# Altium PCB OMD_60V_REF_1.PcbDoc (part 5 of 6)
Units mm, origin at the board's own origin, x right, y up, seen from the top; angles counter-clockwise.
Board outline 71.95 x 71.94 mm, 6 copper layers (Top Layer, L2, L3, L4, L5, Bottom Layer), stack 2.309 mm thick; 139 components, 113 nets, 809 pads, 9892 vias.
Unrouted connection lines stored in the file: 1.
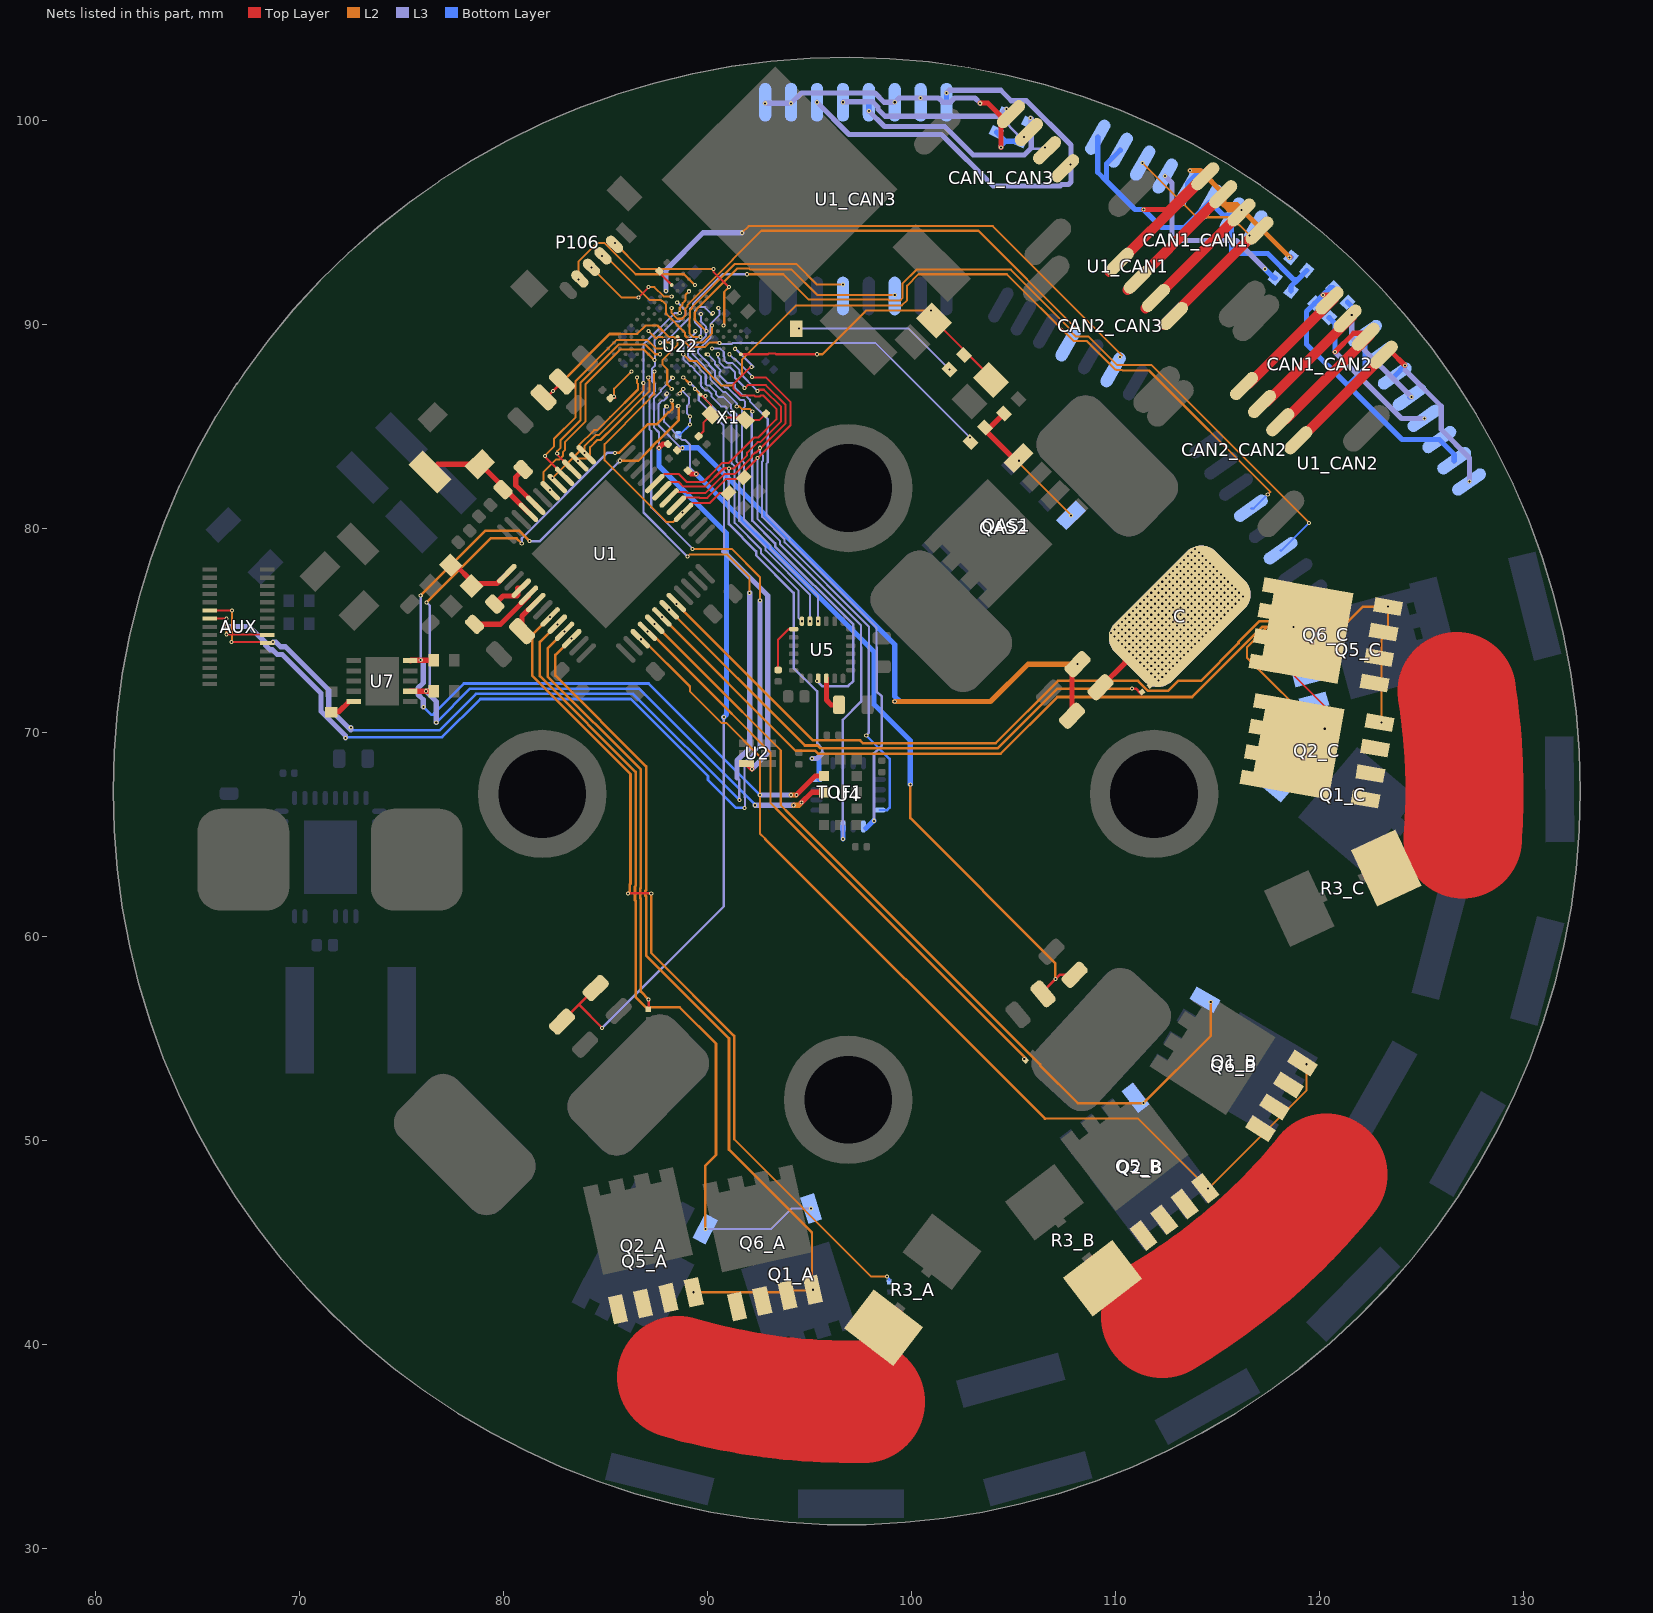
[diagram p9: the nets of this part, all layers, seen from the top]

## Via types
v1: diameter 0.2, hole 0.1, Top Layer to L2, tented both sides, 3354 vias
v2: diameter 0.2, hole 0.1, L2 to L3, tented both sides, 3246 vias
v3: diameter 0.2, hole 0.1, L3 to Bottom Layer, tented both sides, 3236 vias
v4: diameter 0.2, hole 0.1, L2 to L3, 40 vias
v5: diameter 0.2, hole 0.1, L3 to Bottom Layer, 8 vias
v6: diameter 0.2, hole 0.1, Top Layer to L2, 6 vias
v7: diameter 0.2, hole 0.1, Top Layer to L3, 2 vias

## Nets (pads, with @x,y where several pads share a name; then routed paths per layer and width w, separated by ;. In a path a pad name is that pad's centre, name@x,y a point inside that pad or via, vN(x,y) a via of type N, cw(c..) or ccw(c..) an arc to the next point about the centre after c; other vN are vias at no path point) (continued)
NetC9_1: C9.1 U1.3 | length 1.8
  Top Layer w0.254: C9.1@79.577,76.281 79.983,76.687 80.668,76.687 80.705,76.724 80.705,77.063 80.707,77.066 U1.3@80.876,77.066
NetC9_2: C9.2 U1.4 | length 3.3
  Top Layer w0.254: C9.2@78.587,75.291 79.857,75.291 81.229,76.663 U1.4@81.229,76.712
NetC10_1: C10.1 U1.5 | length 1.7
  Top Layer w0.254: C10.1@80.918,74.955 80.918,75.694 U1.5@81.583,76.359
NetC17_1: C17.1 U5.10 | length 1.8
  Top Layer w0.254: U5.10@95.834,72.641 95.834,71.578 96.069,71.343 C17.1@96.455,71.343
NetC39_1: C39.1 U22.K12 X1.3 | length 4.5
  Top Layer w0.1: v4(90.894,85.421) 91.457,85.421 91.601,85.565 X1.3@91.851,85.314 92.563,85.314 C39.1@92.869,85.621
  L2 w0.1: v1(89.384,86.835) 89.732,86.487 v2(89.916,86.487)
  L3 w0.1: v2(89.916,86.487) 89.916,86.303 90.798,85.421 v4(90.894,85.421)
  other v1: 90.894,85.421
NetC40_2: C40.2 U22.K13 X1.1 | length 2.5
  Top Layer w0.1: C40.2@89.571,84.511 89.806,84.747 89.806,85.179 X1.1@90.19,85.562 90.19,86.029 U22.K13@89.666,86.553
NetC43_1: C43.1 U22.P5 | length 1.9
  Top Layer w0.1: C43.1@85.249,86.383 85.503,86.383 v1(85.432,86.454)
  L2 w0.1: v1(85.432,86.454) 85.432,86.844 v1(86.272,87.684)
NetC44_1: C44.1 U22.C1 | length 0.9
  Top Layer w0.1: C44.1@87.647,92.606 87.647,92.531 U22.C1@88.252,91.927
NetC49_1: C49.1 D1.1 L1.2 U1.45 | length 6
  Top Layer w0.254: L1.2@76.405,82.761 76.782,83.137 D1.1@78.843,83.137 78.87,83.137 U1.45@81.229,80.778
NetC49_2: C49.2 U1.44 | length 2.3
  Top Layer w0.254: C49.2@80.974,82.885 80.606,82.517 80.606,82.108 U1.44@81.583,81.132
NetC_1: C.1 NT2_C.2 Q1_C.S Q2_C.D Q5_C.S Q6_C.D R9_C.2 | length 6.5
  Top Layer w0.1: Q6_C.D@118.628,72.914 120.777,70.764 Q2_C.D@120.777,69.342
  Top Layer w0.254: R9_C.2@109.278,72.205 110.472,73.4 C.1@110.472,73.76
  other v1: 112.123,72.528 111.943,72.708 112.303,72.708 111.764,72.887 112.123,72.887 112.482,72.887 111.584,73.067 111.943,73.067 112.303,73.067 112.662,73.067 111.405,73.247 111.764,73.247 112.123,73.247 112.482,73.247 112.841,73.247 111.225,73.426 111.584,73.426 111.943,73.426 112.303,73.426 112.662,73.426 113.021,73.426 111.045,73.606 111.405,73.606 111.764,73.606 112.123,73.606 112.482,73.606 112.841,73.606 113.201,73.606 110.866,73.785 111.225,73.785 111.584,73.785 111.943,73.785 112.303,73.785 112.662,73.785 113.021,73.785 113.38,73.785 110.686,73.965 111.045,73.965 111.405,73.965 111.764,73.965 112.123,73.965 112.482,73.965 112.841,73.965 113.201,73.965 113.56,73.965 110.507,74.145 110.866,74.145 111.225,74.145 111.584,74.145 111.943,74.145 112.303,74.145 112.662,74.145 113.021,74.145 113.38,74.145 113.739,74.145 110.327,74.324 110.686,74.324 111.045,74.324 111.405,74.324 111.764,74.324 112.123,74.324 112.482,74.324 112.841,74.324 113.201,74.324 113.56,74.324 113.919,74.324 110.147,74.504 110.507,74.504 110.866,74.504 111.225,74.504 111.584,74.504 111.943,74.504 112.303,74.504 112.662,74.504 113.021,74.504 113.38,74.504 113.739,74.504 114.099,74.504 109.968,74.683 110.327,74.683 110.686,74.683 111.045,74.683 111.405,74.683 111.764,74.683 112.123,74.683 112.482,74.683 112.841,74.683 113.201,74.683 113.56,74.683 113.919,74.683 114.278,74.683 109.788,74.863 110.147,74.863 110.507,74.863 110.866,74.863 111.225,74.863 111.584,74.863 111.943,74.863 112.303,74.863 112.662,74.863 113.021,74.863 113.38,74.863 113.739,74.863 114.099,74.863 114.458,74.863 109.968,75.043 110.327,75.043 110.686,75.043 111.045,75.043 111.405,75.043 111.764,75.043 112.123,75.043 112.482,75.043 112.841,75.043 113.201,75.043 113.56,75.043 113.919,75.043 114.278,75.043 114.637,75.043 110.147,75.222 110.507,75.222 110.866,75.222 111.225,75.222 111.584,75.222 111.943,75.222 112.303,75.222 112.662,75.222 113.021,75.222 113.38,75.222 113.739,75.222 114.099,75.222 114.458,75.222 114.817,75.222 110.327,75.402 110.686,75.402 111.045,75.402 111.405,75.402 111.764,75.402 112.123,75.402 112.482,75.402 112.841,75.402 113.201,75.402 113.56,75.402 113.919,75.402 114.278,75.402 114.637,75.402 114.997,75.402 110.507,75.582 110.866,75.582 111.225,75.582 111.584,75.582 111.943,75.582 112.303,75.582 112.662,75.582 113.021,75.582 113.38,75.582 113.739,75.582 114.099,75.582 114.458,75.582 114.817,75.582 115.176,75.582 110.686,75.761 111.045,75.761 111.405,75.761 111.764,75.761 112.123,75.761 112.482,75.761 112.841,75.761 113.201,75.761 113.56,75.761 113.919,75.761 114.278,75.761 114.637,75.761 114.997,75.761 115.356,75.761 110.866,75.941 111.225,75.941 111.584,75.941 111.943,75.941 112.303,75.941 112.662,75.941 113.021,75.941 113.38,75.941 113.739,75.941 114.099,75.941 114.458,75.941 114.817,75.941 115.176,75.941 115.535,75.941 111.045,76.12 111.405,76.12 111.764,76.12 112.123,76.12 112.482,76.12 112.841,76.12 113.201,76.12 113.56,76.12 113.919,76.12 114.278,76.12 114.637,76.12 114.997,76.12 115.356,76.12 115.715,76.12 111.225,76.3 111.584,76.3 111.943,76.3 112.303,76.3 112.662,76.3 113.021,76.3 113.38,76.3 113.739,76.3 114.099,76.3 114.458,76.3 114.817,76.3 115.176,76.3 115.535,76.3 115.895,76.3 111.405,76.48 111.764,76.48 112.123,76.48 112.482,76.48 112.841,76.48 113.201,76.48 113.56,76.48 113.919,76.48 114.278,76.48 114.637,76.48 114.997,76.48 115.356,76.48 115.715,76.48 116.074,76.48 111.584,76.659 111.943,76.659 112.303,76.659 112.662,76.659 113.021,76.659 113.38,76.659 113.739,76.659 114.099,76.659 114.458,76.659 114.817,76.659 115.176,76.659 115.535,76.659 115.895,76.659 116.254,76.659 111.764,76.839 112.123,76.839 112.482,76.839 112.841,76.839 113.201,76.839 113.56,76.839 113.919,76.839 114.278,76.839 114.637,76.839 114.997,76.839 115.356,76.839 115.715,76.839 116.074,76.839 111.943,77.018 112.303,77.018 112.662,77.018 113.021,77.018 113.38,77.018 113.739,77.018 114.099,77.018 114.458,77.018 114.817,77.018 115.176,77.018 115.535,77.018 115.895,77.018 112.123,77.198 112.482,77.198 112.841,77.198 113.201,77.198 113.56,77.198 113.919,77.198 114.278,77.198 114.637,77.198 114.997,77.198 115.356,77.198 115.715,77.198 112.303,77.378 112.662,77.378 113.021,77.378 113.38,77.378 113.739,77.378 114.099,77.378 114.458,77.378 114.817,77.378 115.176,77.378 115.535,77.378 112.482,77.557 112.841,77.557 113.201,77.557 113.56,77.557 113.919,77.557 114.278,77.557 114.637,77.557 114.997,77.557 115.356,77.557 112.662,77.737 113.021,77.737 113.38,77.737 113.739,77.737 114.099,77.737 114.458,77.737 114.817,77.737 115.176,77.737 112.841,77.916 113.201,77.916 113.56,77.916 113.919,77.916 114.278,77.916 114.637,77.916 114.997,77.916 113.021,78.096 113.38,78.096 113.739,78.096 114.099,78.096 114.458,78.096 114.817,78.096 113.201,78.276 113.56,78.276 113.919,78.276 114.278,78.276 114.637,78.276 113.38,78.455 113.739,78.455 114.099,78.455 114.458,78.455 113.56,78.635 113.919,78.635 114.278,78.635 113.739,78.814 114.099,78.814 113.919,78.994
  other v2: 112.123,72.528 111.943,72.708 112.303,72.708 111.764,72.887 112.123,72.887 112.482,72.887 111.584,73.067 111.943,73.067 112.303,73.067 112.662,73.067 111.405,73.247 111.764,73.247 112.123,73.247 112.482,73.247 112.841,73.247 111.225,73.426 111.584,73.426 111.943,73.426 112.303,73.426 112.662,73.426 113.021,73.426 111.045,73.606 111.405,73.606 111.764,73.606 112.123,73.606 112.482,73.606 112.841,73.606 113.201,73.606 110.866,73.785 111.225,73.785 111.584,73.785 111.943,73.785 112.303,73.785 112.662,73.785 113.021,73.785 113.38,73.785 110.686,73.965 111.045,73.965 111.405,73.965 111.764,73.965 112.123,73.965 112.482,73.965 112.841,73.965 113.201,73.965 113.56,73.965 110.507,74.145 110.866,74.145 111.225,74.145 111.584,74.145 111.943,74.145 112.303,74.145 112.662,74.145 113.021,74.145 113.38,74.145 113.739,74.145 110.327,74.324 110.686,74.324 111.045,74.324 111.405,74.324 111.764,74.324 112.123,74.324 112.482,74.324 112.841,74.324 113.201,74.324 113.56,74.324 113.919,74.324 110.147,74.504 110.507,74.504 110.866,74.504 111.225,74.504 111.584,74.504 111.943,74.504 112.303,74.504 112.662,74.504 113.021,74.504 113.38,74.504 113.739,74.504 114.099,74.504 109.968,74.683 110.327,74.683 110.686,74.683 111.045,74.683 111.405,74.683 111.764,74.683 112.123,74.683 112.482,74.683 112.841,74.683 113.201,74.683 113.56,74.683 113.919,74.683 114.278,74.683 109.788,74.863 110.147,74.863 110.507,74.863 110.866,74.863 111.225,74.863 111.584,74.863 111.943,74.863 112.303,74.863 112.662,74.863 113.021,74.863 113.38,74.863 113.739,74.863 114.099,74.863 114.458,74.863 109.968,75.043 110.327,75.043 110.686,75.043 111.045,75.043 111.405,75.043 111.764,75.043 112.123,75.043 112.482,75.043 112.841,75.043 113.201,75.043 113.56,75.043 113.919,75.043 114.278,75.043 114.637,75.043 110.147,75.222 110.507,75.222 110.866,75.222 111.225,75.222 111.584,75.222 111.943,75.222 112.303,75.222 112.662,75.222 113.021,75.222 113.38,75.222 113.739,75.222 114.099,75.222 114.458,75.222 114.817,75.222 110.327,75.402 110.686,75.402 111.045,75.402 111.405,75.402 111.764,75.402 112.123,75.402 112.482,75.402 112.841,75.402 113.201,75.402 113.56,75.402 113.919,75.402 114.278,75.402 114.637,75.402 114.997,75.402 110.507,75.582 110.866,75.582 111.225,75.582 111.584,75.582 111.943,75.582 112.303,75.582 112.662,75.582 113.021,75.582 113.38,75.582 113.739,75.582 114.099,75.582 114.458,75.582 114.817,75.582 115.176,75.582 110.686,75.761 111.045,75.761 111.405,75.761 111.764,75.761 112.123,75.761 112.482,75.761 112.841,75.761 113.201,75.761 113.56,75.761 113.919,75.761 114.278,75.761 114.637,75.761 114.997,75.761 115.356,75.761 110.866,75.941 111.225,75.941 111.584,75.941 111.943,75.941 112.303,75.941 112.662,75.941 113.021,75.941 113.38,75.941 113.739,75.941 114.099,75.941 114.458,75.941 114.817,75.941 115.176,75.941 115.535,75.941 111.045,76.12 111.405,76.12 111.764,76.12 112.123,76.12 112.482,76.12 112.841,76.12 113.201,76.12 113.56,76.12 113.919,76.12 114.278,76.12 114.637,76.12 114.997,76.12 115.356,76.12 115.715,76.12 111.225,76.3 111.584,76.3 111.943,76.3 112.303,76.3 112.662,76.3 113.021,76.3 113.38,76.3 113.739,76.3 114.099,76.3 114.458,76.3 114.817,76.3 115.176,76.3 115.535,76.3 115.895,76.3 111.405,76.48 111.764,76.48 112.123,76.48 112.482,76.48 112.841,76.48 113.201,76.48 113.56,76.48 113.919,76.48 114.278,76.48 114.637,76.48 114.997,76.48 115.356,76.48 115.715,76.48 116.074,76.48 111.584,76.659 111.943,76.659 112.303,76.659 112.662,76.659 113.021,76.659 113.38,76.659 113.739,76.659 114.099,76.659 114.458,76.659 114.817,76.659 115.176,76.659 115.535,76.659 115.895,76.659 116.254,76.659 111.764,76.839 112.123,76.839 112.482,76.839 112.841,76.839 113.201,76.839 113.56,76.839 113.919,76.839 114.278,76.839 114.637,76.839 114.997,76.839 115.356,76.839 115.715,76.839 116.074,76.839 111.943,77.018 112.303,77.018 112.662,77.018 113.021,77.018 113.38,77.018 113.739,77.018 114.099,77.018 114.458,77.018 114.817,77.018 115.176,77.018 115.535,77.018 115.895,77.018 112.123,77.198 112.482,77.198 112.841,77.198 113.201,77.198 113.56,77.198 113.919,77.198 114.278,77.198 114.637,77.198 114.997,77.198 115.356,77.198 115.715,77.198 112.303,77.378 112.662,77.378 113.021,77.378 113.38,77.378 113.739,77.378 114.099,77.378 114.458,77.378 114.817,77.378 115.176,77.378 115.535,77.378 112.482,77.557 112.841,77.557 113.201,77.557 113.56,77.557 113.919,77.557 114.278,77.557 114.637,77.557 114.997,77.557 115.356,77.557 112.662,77.737 113.021,77.737 113.38,77.737 113.739,77.737 114.099,77.737 114.458,77.737 114.817,77.737 115.176,77.737 112.841,77.916 113.201,77.916 113.56,77.916 113.919,77.916 114.278,77.916 114.637,77.916 114.997,77.916 113.021,78.096 113.38,78.096 113.739,78.096 114.099,78.096 114.458,78.096 114.817,78.096 113.201,78.276 113.56,78.276 113.919,78.276 114.278,78.276 114.637,78.276 113.38,78.455 113.739,78.455 114.099,78.455 114.458,78.455 113.56,78.635 113.919,78.635 114.278,78.635 113.739,78.814 114.099,78.814 113.919,78.994
  other v3: 112.123,72.528 111.943,72.708 112.303,72.708 111.764,72.887 112.123,72.887 112.482,72.887 111.584,73.067 111.943,73.067 112.303,73.067 112.662,73.067 111.405,73.247 111.764,73.247 112.123,73.247 112.482,73.247 112.841,73.247 111.225,73.426 111.584,73.426 111.943,73.426 112.303,73.426 112.662,73.426 113.021,73.426 111.045,73.606 111.405,73.606 111.764,73.606 112.123,73.606 112.482,73.606 112.841,73.606 113.201,73.606 110.866,73.785 111.225,73.785 111.584,73.785 111.943,73.785 112.303,73.785 112.662,73.785 113.021,73.785 113.38,73.785 110.686,73.965 111.045,73.965 111.405,73.965 111.764,73.965 112.123,73.965 112.482,73.965 112.841,73.965 113.201,73.965 113.56,73.965 110.507,74.145 110.866,74.145 111.225,74.145 111.584,74.145 111.943,74.145 112.303,74.145 112.662,74.145 113.021,74.145 113.38,74.145 113.739,74.145 110.327,74.324 110.686,74.324 111.045,74.324 111.405,74.324 111.764,74.324 112.123,74.324 112.482,74.324 112.841,74.324 113.201,74.324 113.56,74.324 113.919,74.324 110.147,74.504 110.507,74.504 110.866,74.504 111.225,74.504 111.584,74.504 111.943,74.504 112.303,74.504 112.662,74.504 113.021,74.504 113.38,74.504 113.739,74.504 114.099,74.504 109.968,74.683 110.327,74.683 110.686,74.683 111.045,74.683 111.405,74.683 111.764,74.683 112.123,74.683 112.482,74.683 112.841,74.683 113.201,74.683 113.56,74.683 113.919,74.683 114.278,74.683 109.788,74.863 110.147,74.863 110.507,74.863 110.866,74.863 111.225,74.863 111.584,74.863 111.943,74.863 112.303,74.863 112.662,74.863 113.021,74.863 113.38,74.863 113.739,74.863 114.099,74.863 114.458,74.863 109.968,75.043 110.327,75.043 110.686,75.043 111.045,75.043 111.405,75.043 111.764,75.043 112.123,75.043 112.482,75.043 112.841,75.043 113.201,75.043 113.56,75.043 113.919,75.043 114.278,75.043 114.637,75.043 110.147,75.222 110.507,75.222 110.866,75.222 111.225,75.222 111.584,75.222 111.943,75.222 112.303,75.222 112.662,75.222 113.021,75.222 113.38,75.222 113.739,75.222 114.099,75.222 114.458,75.222 114.817,75.222 110.327,75.402 110.686,75.402 111.045,75.402 111.405,75.402 111.764,75.402 112.123,75.402 112.482,75.402 112.841,75.402 113.201,75.402 113.56,75.402 113.919,75.402 114.278,75.402 114.637,75.402 114.997,75.402 110.507,75.582 110.866,75.582 111.225,75.582 111.584,75.582 111.943,75.582 112.303,75.582 112.662,75.582 113.021,75.582 113.38,75.582 113.739,75.582 114.099,75.582 114.458,75.582 114.817,75.582 115.176,75.582 110.686,75.761 111.045,75.761 111.405,75.761 111.764,75.761 112.123,75.761 112.482,75.761 112.841,75.761 113.201,75.761 113.56,75.761 113.919,75.761 114.278,75.761 114.637,75.761 114.997,75.761 115.356,75.761 110.866,75.941 111.225,75.941 111.584,75.941 111.943,75.941 112.303,75.941 112.662,75.941 113.021,75.941 113.38,75.941 113.739,75.941 114.099,75.941 114.458,75.941 114.817,75.941 115.176,75.941 115.535,75.941 111.045,76.12 111.405,76.12 111.764,76.12 112.123,76.12 112.482,76.12 112.841,76.12 113.201,76.12 113.56,76.12 113.919,76.12 114.278,76.12 114.637,76.12 114.997,76.12 115.356,76.12 115.715,76.12 111.225,76.3 111.584,76.3 111.943,76.3 112.303,76.3 112.662,76.3 113.021,76.3 113.38,76.3 113.739,76.3 114.099,76.3 114.458,76.3 114.817,76.3 115.176,76.3 115.535,76.3 115.895,76.3 111.405,76.48 111.764,76.48 112.123,76.48 112.482,76.48 112.841,76.48 113.201,76.48 113.56,76.48 113.919,76.48 114.278,76.48 114.637,76.48 114.997,76.48 115.356,76.48 115.715,76.48 116.074,76.48 111.584,76.659 111.943,76.659 112.303,76.659 112.662,76.659 113.021,76.659 113.38,76.659 113.739,76.659 114.099,76.659 114.458,76.659 114.817,76.659 115.176,76.659 115.535,76.659 115.895,76.659 116.254,76.659 111.764,76.839 112.123,76.839 112.482,76.839 112.841,76.839 113.201,76.839 113.56,76.839 113.919,76.839 114.278,76.839 114.637,76.839 114.997,76.839 115.356,76.839 115.715,76.839 116.074,76.839 111.943,77.018 112.303,77.018 112.662,77.018 113.021,77.018 113.38,77.018 113.739,77.018 114.099,77.018 114.458,77.018 114.817,77.018 115.176,77.018 115.535,77.018 115.895,77.018 112.123,77.198 112.482,77.198 112.841,77.198 113.201,77.198 113.56,77.198 113.919,77.198 114.278,77.198 114.637,77.198 114.997,77.198 115.356,77.198 115.715,77.198 112.303,77.378 112.662,77.378 113.021,77.378 113.38,77.378 113.739,77.378 114.099,77.378 114.458,77.378 114.817,77.378 115.176,77.378 115.535,77.378 112.482,77.557 112.841,77.557 113.201,77.557 113.56,77.557 113.919,77.557 114.278,77.557 114.637,77.557 114.997,77.557 115.356,77.557 112.662,77.737 113.021,77.737 113.38,77.737 113.739,77.737 114.099,77.737 114.458,77.737 114.817,77.737 115.176,77.737 112.841,77.916 113.201,77.916 113.56,77.916 113.919,77.916 114.278,77.916 114.637,77.916 114.997,77.916 113.021,78.096 113.38,78.096 113.739,78.096 114.099,78.096 114.458,78.096 114.817,78.096 113.201,78.276 113.56,78.276 113.919,78.276 114.278,78.276 114.637,78.276 113.38,78.455 113.739,78.455 114.099,78.455 114.458,78.455 113.56,78.635 113.919,78.635 114.278,78.635 113.739,78.814 114.099,78.814 113.919,78.994
NetCAN1_CAN1_1: CAN1_CAN1.1 CAN2_CAN3.1 U1_CAN1.11 U1_CAN1.16 | length 12.6
  Top Layer w0.5: CAN2_CAN3.1@112.368,89.992 CAN1_CAN1.1@116.512,94.136
  L2 w0.1: v1(111.342,97.903) 113.995,95.25 115.697,95.25 v1(116.586,94.361)
  other v2: 116.586,94.361 111.342,97.903
  other v3: 116.586,94.361 111.342,97.903
NetCAN1_CAN1_2: CAN1_CAN1.2 CAN2_CAN3.2 R1_CAN1.1 U1_CAN1.13 | length 15
  Top Layer w0.5: CAN2_CAN3.2@111.484,90.788 CAN1_CAN1.2@115.628,94.932
  L2 w0.254: v1(113.665,97.536) 114.173,97.536 115.316,96.393 115.316,95.86 ; v1(116.183,95.614) 115.563,95.614 115.316,95.86 ; v1(118.551,93.285) 115.976,95.86 115.316,95.86
  Bottom Layer w0.254: U1_CAN1.13@113.542,96.633 113.542,96.905 114.173,97.536 ; v1(118.551,93.285) R1_CAN1.1@118.616,93.285
  other v2: 118.551,93.285 113.665,97.536
  other v3: 118.551,93.285 113.665,97.536
NetCAN1_CAN1_3: CAN1_CAN1.3 CAN2_CAN3.3 R2_CAN1.2 U1_CAN1.12 | length 17.5
  Top Layer w0.254: v1(112.903,94.107) CAN1_CAN1.3@114.676,95.88
  Top Layer w0.5: CAN2_CAN3.3@110.593,91.679 CAN1_CAN1.3@114.737,95.823
  L3 w0.254: v3(112.442,97.268) 112.776,96.934 112.776,94.107 115.951,94.107 v3(117.348,92.71)
  Bottom Layer w0.254: v3(117.348,92.71) 117.783,92.275 R2_CAN1.2@117.848,92.275
  other v4: 112.903,94.107
NetCAN1_CAN1_4: CAN1_CAN1.4 CAN2_CAN3.4 R1_CAN1.2 R2_CAN1.1 U1_CAN1.9 U1_CAN1.10 U1_CAN1.14 U1_CAN1.15 | length 29.3
  Top Layer w0.254: v1(111.379,95.631) 112.522,95.631 114.554,97.663 CAN1_CAN1.4@114.935,97.663
  Top Layer w0.5: CAN2_CAN3.4@109.713,92.559 CAN1_CAN1.4@113.857,96.703
  Bottom Layer w0.254: U1_CAN1.9@109.143,99.173 109.143,97.459 109.573,97.028 ; U1_CAN1.10@110.242,98.538 109.573,97.869 109.573,97.028 ; R2_CAN1.1@118.62,91.627 118.62,91.869 118.953,92.202 ; R1_CAN1.2@119.388,92.637 118.953,92.202 ; 109.573,97.028 110.97,95.631 v1(111.379,95.631) 112.268,94.742 113.386,94.742 U1_CAN1.14@114.642,95.998 115.277,95.363 U1_CAN1.15@115.742,95.363 115.697,95.318 115.697,93.472 117.475,93.472 118.745,92.202 118.953,92.202
  other v2: 111.379,95.631
  other v3: 111.379,95.631
NetCAN1_CAN2_1: CAN1_CAN2.1 CAN2_CAN2.1 U1_CAN2.11 U1_CAN2.16 | length 14.6
  Top Layer w0.127: CAN2_CAN2.1@119.226,84.443 CAN2_CAN2.1@119.226,84.531
  Top Layer w0.254: CAN1_CAN2.1@123.37,88.675 123.504,88.675 v1(124.206,87.974)
  Top Layer w0.5: CAN2_CAN2.1@119.226,84.531 CAN1_CAN2.1@123.37,88.675
  L3 w0.254: 124.206,87.757 125.984,85.979 125.984,84.836 127.372,83.448 v3(127.372,82.296)
  Bottom Layer w0.254: U1_CAN2.11@123.702,87.47 v1(124.206,87.974)
  other v2: 124.206,87.974
  other v3: 124.206,87.974
NetCAN1_CAN2_2: CAN1_CAN2.2 CAN2_CAN2.2 R1_CAN2.1 U1_CAN2.13 | length 15.6
  Top Layer w0.127: CAN1_CAN2.2@122.486,89.471 CAN1_CAN2.2@122.486,89.559
  Top Layer w0.254: v1(120.777,88.646) 121.69,89.559 CAN1_CAN2.2@122.486,89.559
  Top Layer w0.5: CAN2_CAN2.2@118.342,85.327 CAN1_CAN2.2@122.486,89.471
  L3 w0.254: v1(120.777,88.646) 124.034,85.389 v3(125.159,85.389)
  Bottom Layer w0.254: R1_CAN2.1@120.496,90.324 120.777,90.043 v1(120.777,88.646)
  other v2: 120.777,88.646
  other v3: 120.777,88.646
NetCAN1_CAN2_3: CAN1_CAN2.3 CAN2_CAN2.3 R2_CAN2.2 U1_CAN2.12 | length 12
  Top Layer w0.127: CAN1_CAN2.3@121.595,90.362 v1(121.595,90.45)
  Top Layer w0.5: CAN2_CAN2.3@117.451,86.218 CAN1_CAN2.3@121.595,90.362
  L3 w0.254: v1(121.595,90.45) 121.595,89.352 v3(124.517,86.43)
  Bottom Layer w0.254: R2_CAN2.2@121.39,91.081 121.595,90.876 v1(121.595,90.45) ; U1_CAN2.12@124.431,86.43 v3(124.517,86.43)
  other v2: 121.595,90.45
  other v3: 121.595,90.45
NetCAN1_CAN2_4: CAN1_CAN2.4 CAN2_CAN2.4 R1_CAN2.2 R2_CAN2.1 U1_CAN2.9 U1_CAN2.10 U1_CAN2.14 U1_CAN2.15 | length 22.6
  Top Layer w0.254: v1(120.186,91.44) 120.605,91.44 120.715,91.33 CAN1_CAN2.4@120.715,91.242
  Top Layer w0.5: CAN2_CAN2.4@116.571,87.098 CAN1_CAN2.4@120.715,91.242
  Bottom Layer w0.254: R2_CAN2.1@120.677,91.794 120.539,91.794 v1(120.186,91.44) R1_CAN2.2@119.783,91.037 119.38,90.634 119.38,89.027 121.412,86.995 ; U1_CAN2.9@122.245,89.551 122.245,87.828 121.412,86.995 ; U1_CAN2.15@126.616,83.309 126.616,83.621 U1_CAN2.14@125.888,84.349 124.058,84.349 121.412,86.995